# Altium PCB HEXIWEAR_MainBoard_v106.PcbDoc (part 2 of 3)
Units mil, origin at the board's own origin, x right, y up, seen from the top; angles counter-clockwise.
Board outline 1731.95 x 1558.06 mil, 6 copper layers (Top Layer, Internal Plane 2, Signal Layer 1, Signal Layer 2, Internal Plane 1, Bottom Layer), stack 48.468 mil thick; 186 components, 162 nets, 776 pads, 480 vias.
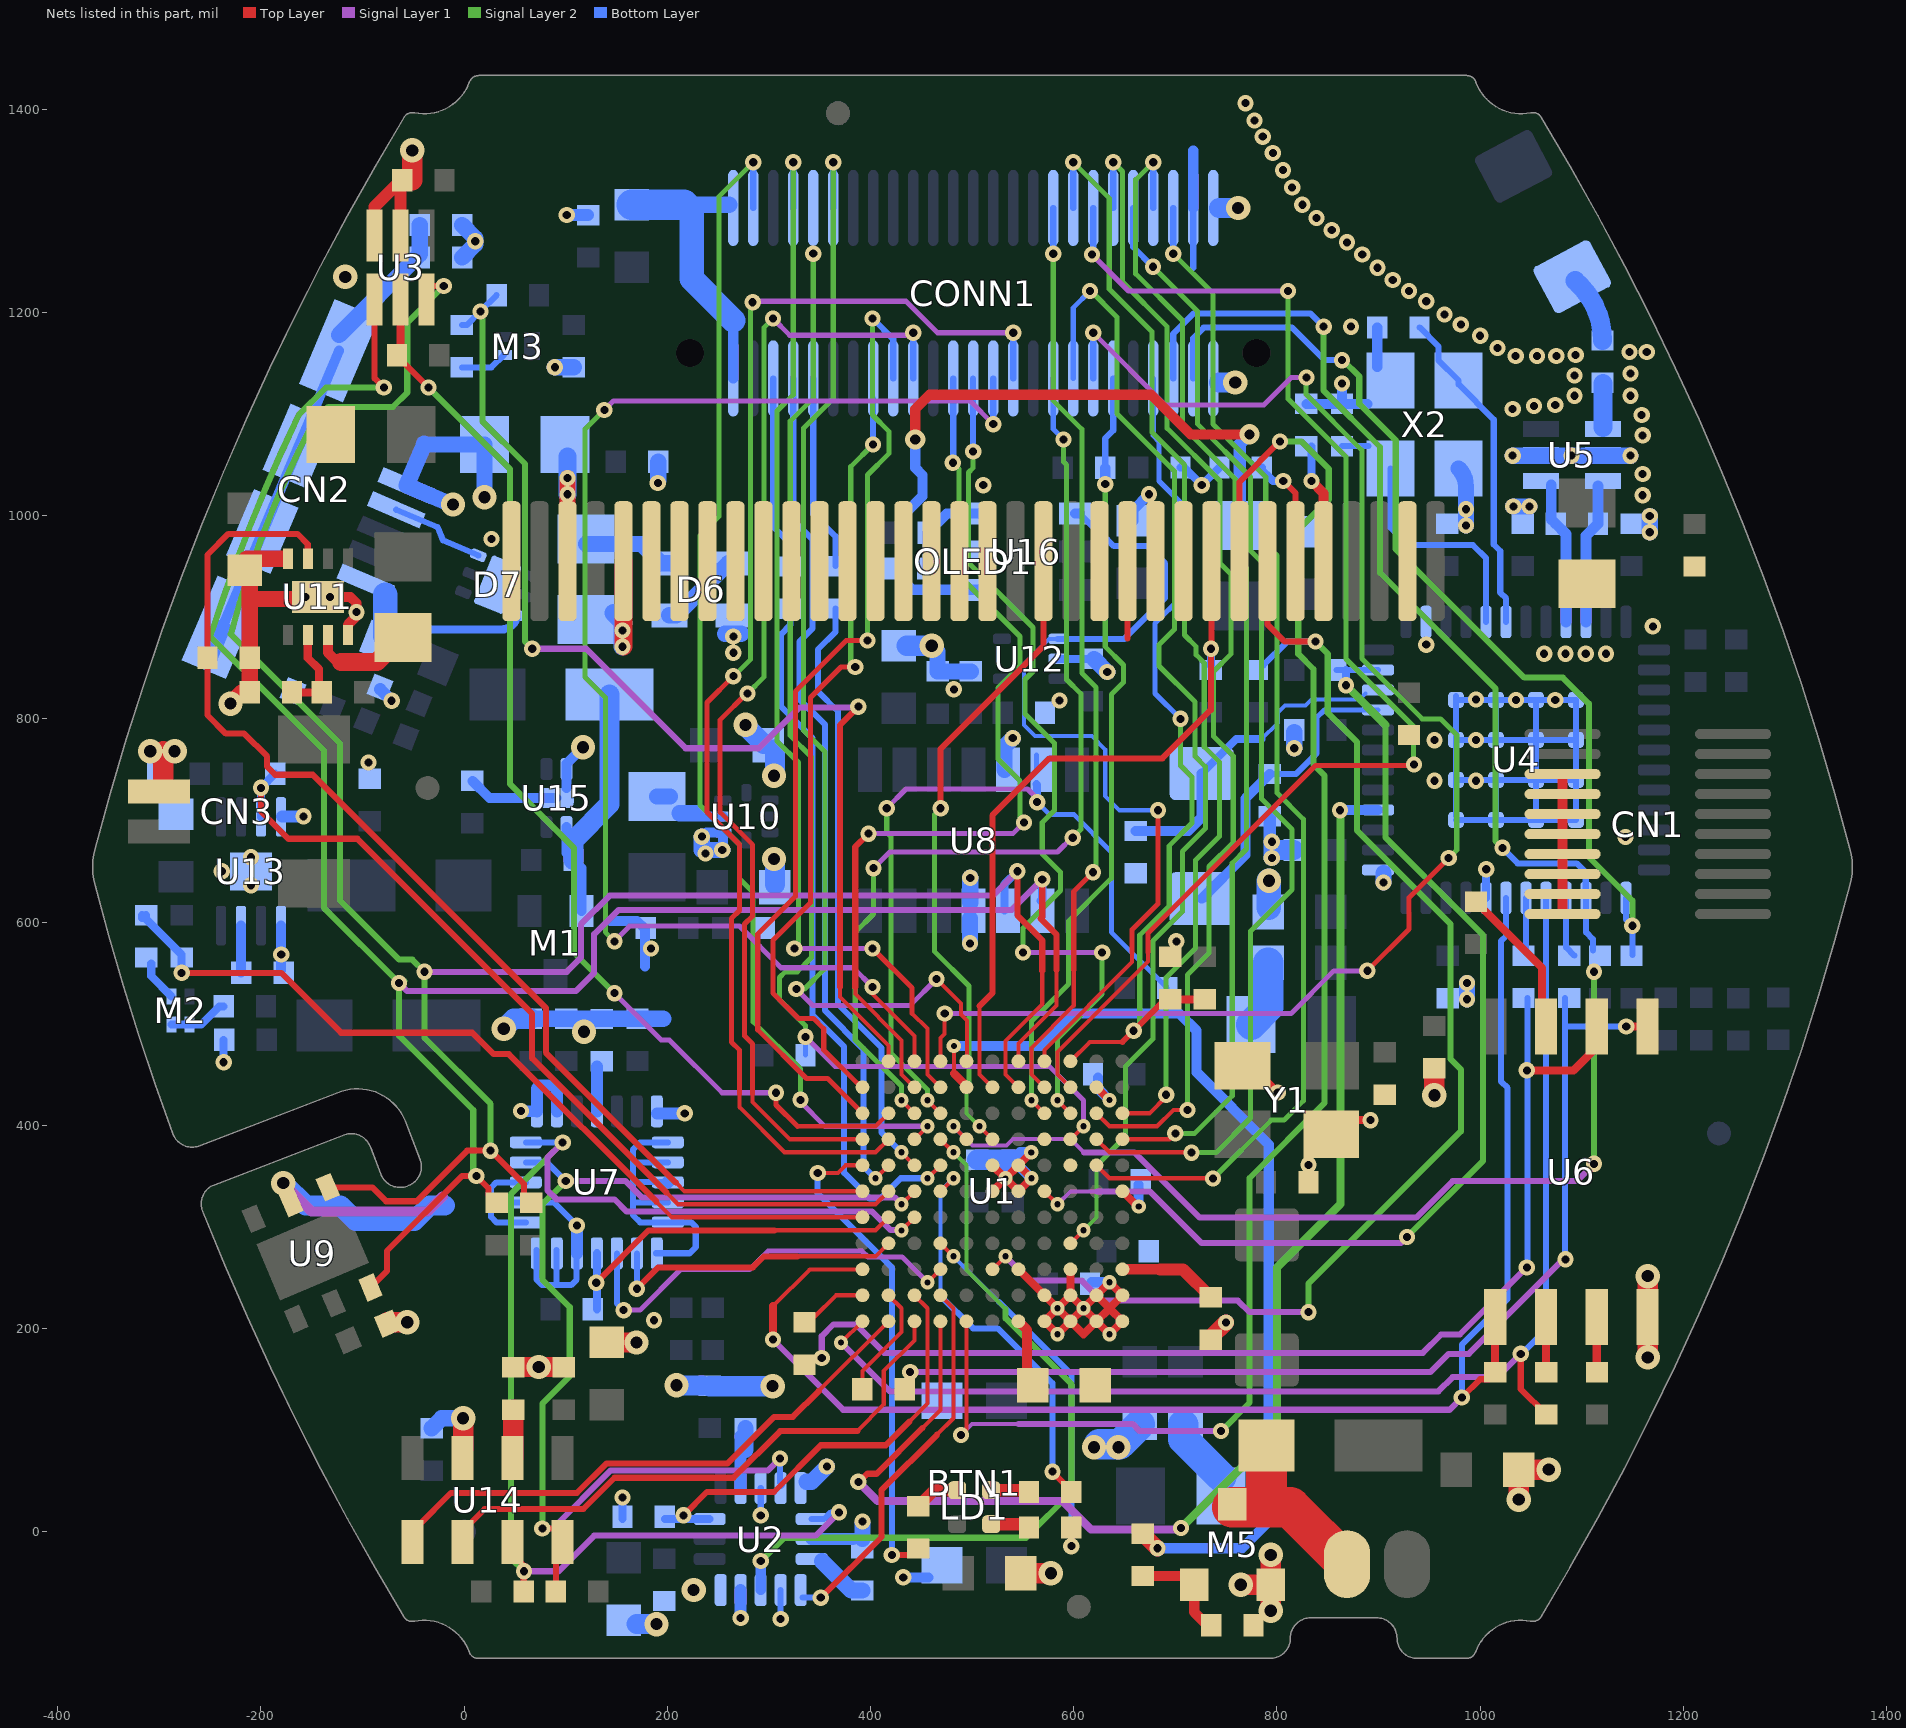
[diagram p6: the nets of this part, all layers, seen from the top]

## Via types
v1: diameter 16, hole 8, Top Layer to Bottom Layer, tented both sides, 352 vias
v2: diameter 24, hole 12, Top Layer to Bottom Layer, tented both sides, 67 vias
v3: diameter 14, hole 6, Top Layer to Bottom Layer, tented both sides, 55 vias
v4: diameter 20, hole 10, Top Layer to Bottom Layer, tented both sides, 4 vias
v5: diameter 16, hole 8, Top Layer to Bottom Layer, tented bottom, 2 vias

## Nets (pads, with @x,y where several pads share a name; then routed paths per layer and width w, separated by ;. In a path a pad name is that pad's centre, name@x,y a point inside that pad or via, vN(x,y) a via of type N, cw(c..) or ccw(c..) an arc to the next point about the centre after c; other vN are vias at no path point) (continued)
GND: BTN1.P1 BTN1.P2 C1.2 C3.2 C4.2 C5.2 C6.2 C7.2 C8.1 C9.2 C10.2 C11.2 C12.2 C13.2 C14.2 C15.2 C16.2 C17.2 C18.1 C19.2 C20.2 C21.2 C22.2 C23.2 C24.2 C25.2 C26.2 C27.2 C28.2 C30.1 C32.2 C33.2 C34.2 C35.2 C36.2 C37.2 C38.2 C39.1 C40.2 C41.2 C42.2 C44.2 C45.2 C46.2 C47.2 C48.1 C49.2 C50.2 C51.2 C52.2 C53.2 C54.2 C55.2 C56.2 C57.2 C58.2 C59.2 C60.1 C61.1 C62.1 C63.2 C64.2 C65.2 C71.2 C72.2 C73.2 C75.2 C76.2 CN1.11 CN1.12 CN1.13 CN1.14 CN1.15 CN1.16 CN1.17 CN1.18 CN2.5 CN3.2 CONN1.25 CONN1.26 CONN1.27 D6.1 D7.7 M5.2 OLED1.2 OLED1.10 OLED1.11 OLED1.12 OLED1.13 OLED1.17 OLED1.18 OLED1.19 OLED1.20 OLED1.21 OLED1.22 OLED1.23 OLED1.24 OLED1.25 OLED1.26 OLED1.27 OLED1.28 OLED1.29 OLED1.34 R1.2 R8.2 R11.2 R26.2 R33.1 R38.2 R39.2 R43.2 R45.1 R48.2 R53.2 R59.2 R72.2 U1.F6 U1.F7 U1.G3 U1.G6 U1.G7 U1.H1 U1.H2 U1.J1 U1.J2 U1.J3 U1.K1 U1.K2 U1.K10 U1.L1 U1.L2 U1.L6 U2.3 U2.5 U2.7 U2.10 U2.12 U2.13 U3.2 U3.3 U4.8 U4.13 U4.26 U4.GND1 U4.GND2 U4.GND3 U4.GND4 U4.GND5 U4.GND6 U4.GND7 U4.GND8 U4.GND9 U4.GND10 U4.GND11 U4.GND12 U4.GND13 U4.GND14 U4.GND15 U4.GND16 U5.2 U5.5 U6.4 U7.1 U7.5 U7.6 U7.7 U7.8 U7.9 U7.10 U7.13 U7.14 U7.19 U7.20 U7.21 U7.22 U7.23 U7.24 U8.4 U8.12 U9.2 U10.5 U11.0 U11.4 U11.8 U12.2 U13.0 U13.4 U13.5 U14.3 U15.2 U15.5 U16.2 X2.2 X2.4 Y1.2 Y1.4 | length 6275.9
  Top Layer w6: 652.83,879 OLED1.12@652.83,955.11
  Top Layer w8: U1.F6@519.98,335 v3@532.74,347.76 ; U1.F7@520,360.5 v3@532.74,347.76 ; v3@532.79,347.77 U1.G6@545.56,335 ; U1.G7@545.54,360.58 v3(558.21,373.34) ; U1.G3@545.57,258.2 v3@583.92,219.85 ; U1.G6@545.54,335.04 558.31,347.81 U1.G7@545.54,360.58 ; U1.G7@545.53,360.54 v3@532.74,347.76 ; U1.H1@571.14,207.03 v3@583.91,194.26 ; U1.H1@571.19,207.07 v3(583.96,219.84) ; v3(583.96,194.25) U1.J1@596.75,207.03 ; U1.J2@596.74,232.61 v3(583.96,219.84) ; U1.J3@596.77,258.2 U1.J2@596.76,232.63 v3@609.53,219.86 ; v3@609.52,219.8 U1.J1@596.75,207.03 ; v3(609.58,219.85) U1.K1@622.33,207.03 ; v3@609.57,219.86 U1.K2@622.35,232.63 ; U1.K1@622.33,207.03 609.52,194.26 U1.J1@596.75,207.03 ; U1.K10@622.36,437.4 v3@635.13,424.63 ; 635.1,219.8 U1.K1@622.33,207.03 ; 635.12,219.86 U1.K2@622.35,232.63 ; v3(635.13,245.44) U1.K2@622.35,232.63 ; 635.13,219.8 U1.L1@647.9,207.03 ; 635.15,219.86 U1.L2@647.92,232.63 v3@635.15,245.4 ; U1.L1@647.9,207.03 635.1,194.26 U1.K1@622.33,207.03 ; U1.L6@647.92,335 v3@663.46,319.46 ; Y1.2@786,447 v1(800.85,432.15) ; Y1.4@871,405 v1(892,405) ; v3(583.96,219.84) U1.J1@596.74,207.07
  Top Layer w9.84: U11.0@-145.03,920 -112,920 -106,914 v1(-106,905) ; U11.8@-114.5,882.44 -114.5,892.5 v1@-105,902
  Top Layer w10: CN1.11@1081.2,607.83 CN1.12@1081.2,627.52 CN1.13@1081.2,647.2 CN1.14@1081.2,666.89 CN1.15@1081.2,686.57 CN1.16@1081.2,706.26 CN1.17@1081.2,725.94 CN1.18@1081.2,745.63
  Top Layer w12: U3.3@-88.19,1275.75 -88.19,1304.02 C20.2@-61.6,1330.6 ; U3.2@-62.6,1275.75 -62.6,1328.4 C20.2@-61,1330
  Top Layer w16: v2(-230,815) -219,826 R39.2@-211,826 C49.2@-211,941 ; C49.2@-214,957.56 U11.4@-177.56,957.56 ; -208,918 U11.0@-145.03,918 ; C1.2@735,191 v1(749.85,205.85)
  Top Layer w20: CN3.2@-296.28,734.69 v2@-296.28,768 ; C30.1@-75.37,206 v2@-55.49,206 ; C20.2@-51,1330 v2(-51,1359.51) ; U14.3@-1,82 v2(-1,111.51) ; C62.1@48.23,162 C60.1@98.23,162 ; C61.1@140.16,186.17 v2(169.67,186.17) ; C63.2@548,-41 v2(577.51,-41) ; v2(764.49,-52.37) M5.2@794,-52.37 ; v2(794,-77.88) M5.2@794,-52.37 ; v2(794,-22.86) M5.2@794,-52.37 ; v2(955,429.49) C35.2@955,456 ; v2(1038,31.49) C64.2@1038,61 v2(1067.51,61) ; v2(1165,171.49) U6.4@1165,201 ; U6.4@1165,222 v2(1165,251.51)
  Signal Layer 1 w10: v2(-178,343) -150,315 -36,315 -21,330
  Bottom Layer w6: U7.8@60.75,304.45 31.82,304.45 26.44,309.83 26.44,324.13 ; U7.10@60.75,343.82 31.82,343.82 26.44,338.44 26.44,324.13 ; U7.7@71.31,277 71.31,248.07 76.69,242.69 91,242.69 ; U7.6@91,277 91,242.69 ; U7.5@110.69,277 110.69,248.07 105.31,242.69 91,242.69 ; v1(110.94,301.42) 88.23,324.13 U7.9@60.75,324.13 26.44,324.13 ; 166.02,343.64 166.02,311.64 173.21,304.45 U7.24@200.51,304.45 223.55,304.45 228,300 228,280 222,274 U7.1@189,274 ; 166.16,324.13 U7.23@200.51,324.13 ; 166.53,363.5 U7.21@200.51,363.5 ; U7.22@200.33,344 166.02,344 166.02,376 173.21,383.19 U7.20@200.51,383.19 ; U2.3@291.89,42.87 292,42.76 v1(292,16) ; v1(311.57,-85.93) U2.10@311.57,-57.52 ; 717.63,1244 CONN1.27@717.63,1302.8 ; U4.GND13@976.28,700.49 U4.GND1@1094.39,700.48 U4.GND4@1094.39,818.6 U4.GND16@976.28,818.6 ; U4.GND13@976.28,704.27 U4.GND16@976.28,822.38 ; U4.GND14@976.28,739.86 U4.GND2@1094.39,739.85 ; U4.GND15@976.28,779.23 U4.GND3@1094.39,779.23 ; U4.GND9@1015.65,700.49 U4.GND12@1015.65,818.6 ; U4.GND5@1055.02,700.49 U4.GND8@1055.02,818.6
  Bottom Layer w8: v1(-236.67,462) R43.2@-236.67,484 ; R11.2@155.89,12.68 v1(155.89,33.68) ; U12.2@584,859 C54.2@618,859 ; R8.2@705.17,1047.4 708.6,1047.4 v1(726,1030) R33.1@743.4,1047.4 ; U4.8@1005.81,623.71 v1@1005.81,651.81
  Bottom Layer w9.84: C3.2@8,739 25,722 U15.5@91,722 ; 100.84,731.84 U15.2@100.84,750.54 100.84,755.84 v2(117,772) ; 144,601 170.29,601 178,593.29 178,556 ; v1@234.43,667.57 v1@234.43,679.52 ; v1@234.43,670.57 v1@234.69,670.57 ; v1@238.74,688.32 U10.5@257.57,688.32 ; v1@254.57,672.48 U10.5@254.57,688.32
  Bottom Layer w10: v1(432.2,-45) BTN1.P1@457,-45 ; v3(532.78,347.73) C13.2@532.78,358.6 ; C13.2@540.09,366.09 v3(558.33,347.86) ; C13.2@547.34,373.34 v3(558.21,373.34) ; C14.2@617.44,245.44 v3(635.13,245.44) ; C54.2@618,859 C54.2@620,859 ; C10.2@624,447 624,435.82 v3(635.15,424.68) ; C72.2@659,995 659,1006 v1(674,1021) ; v3@663.7,319.27 C11.2@663.7,341.71 ; CONN1.27@717.63,1302.8 717.63,1359.15 ; C73.2@829,1110 X2.2@888.87,1110 ; C33.2@864,1110 v1(864,1130) ; X2.2@898.69,1146.19 C32.2@898.69,1185.2
  Bottom Layer w10.24: R48.2@-180.28,552.65 U13.5@-180.28,596.42
  Bottom Layer w11.81: v1(56,414) U7.13@71.57,413.7 71.57,436.33 74.24,439 90,439 91.26,437.74 U7.14@91.26,413.7 ; U7.5@110.94,273.94 v1(110.94,301.42) ; U7.19@189.69,411.7 v1(217.17,411.7) ; U7.22@200.33,344 U7.22@200.51,343.82 ; v1(272.2,-85) U2.12@272.2,-57.52 ; U2.7@342.09,-7.32 C19.2@382.89,-7.32
  Bottom Layer w12: U13.4@-179,704 v1@-163,704 ; C34.2@-82.63,829.16 v1(-71.31,817.84) ; v1(101,1296) R45.1@122,1296 ; v1@793,681 C75.2@793,704
  Bottom Layer w16: -39.21,1070.91 CN2.5@-56.66,1029.71 v2@-11.23,1010.47 ; -37.06,1070 C45.2@20,1070 v2(20,1018) ; C8.1@-32,101.67 -22.16,111.51 v2(-1,111.51) ; R59.2@-2,1254 v1@11,1267 ; C9.2@-2,1286 11,1273 v1(11,1270) ; C38.2@65.63,504.82 196,504.82 ; v1(89.28,1146) C57.2@108,1146 ; v1@191,1034.28 C46.2@191,1053 ; v1(234,684) 234,671 v1(254,671) ; 256.67,883.82 272.67,883.82 ; U2.5@337,49 342,49 v1(357.02,64.02) ; C19.2@392,-7.32 v1@392,8 ; v2(460.24,871.93) 466,866.17 C41.2@466,846.67 C40.2@498.8,846.67 ; v1(498,579) U8.4@498,603.51 ; U8.4@498.13,618.96 v1(498.13,643.47) ; U8.12@531.98,749.81 531.98,772.98 v1(540,781) ; C54.2@620,859 v1(633,846) ; v1(795,663) v1(795,679) ; v1(817,771) C25.2@817,787 ; v1(905,639) U4.13@905,648 ; X2.4@978.8,1046.39 cw(c961.43,1029.02) 986,1029.02 v1(986,1006.33) v1(986,990.33) ; v1(987,524) v1(987,540) ; v1(1032,1059) v1(1148,1059) ; v1(1032.67,1009) v1(1048.67,1009) ; v1(1167,983.67) v1(1167,999.67)
  Bottom Layer w20: v2(-178,343) -156,321 -121.75,321 -106.75,306 -49,306 -34,321 -19,321 ; v2(39,495) 48.82,504.82 C38.2@65.63,504.82 ; C17.2@170,-91 v2@189.88,-91 ; v2@209,143.79 C15.2@234.57,143.79 ; C15.2@241.89,143.24 v2@304.09,143.24 ; v2@277.25,792.84 C50.2@294.59,775.51 ; C53.2@306,637 v2@306,661.51 ; v2@306,745 C50.2@306,769.51 ; C42.2@435.72,871.93 v2(460.24,871.93) ; C12.2@505,366 C13.2@540,366 ; 743,1131 v2(759,1131) ; 743,1302.8 v2(761.82,1302.8) ; 802.89,670.89 C22.2@816.69,670.89
  Bottom Layer w24: C21.2@792,614 v2@792,640.69
  Bottom Layer w30: v2@625,86 645.5,86 C65.2@665,105.5
  other v1: 392,10 187,208 831,361 -180,568 184,574 701,581 -209.8,636.18 -238.58,649.96 1006,652 -209.8,663.74 237.57,667.43 1143,683.66 -158,704 955,739 996,739 -94,757 955,779 996,779.23 586,818 996,819 1035.34,818.6 1074,818.6 482,829 1063,864 1084,864 1104,864 1124,864 265,865 947,873 265,881 1170,891 27,977 1160,1020 511,1030 190.67,1032 1160,1041 1090,1059 1160,1079 1159,1099 1032,1105 1053,1108 1074,1109 1093,1118 1148,1118 1093,1138 1148,1140 1035,1157 1056,1157 1075,1157 1094,1158 1147,1161 1164,1161 1017,1165 1000,1177 873,1186 981,1188 965,1198 947,1211 930,1221 914,1232 899,1244 884,1257 869,1269 854,1281 839,1293 825,1306 815,1323 806,1340 796,1357 786,1373 778,1389 769,1406
  other v2: 189.37,-91 225.83,-57.41 620,83 644,83 303.58,143.24 209,144 73.49,162 -56,206 118,492 792.22,640.69 305,662 305,744 -309,768 -285,768 277,794 -11,1011 -117,1235
  other v3: 635.14,194.25 664,320
  other v5: -156,920 -132,920
I2C0_SCL: R10.1 U1.G11 U3.4 U8.2 U9.6 | length 2171.5
  Top Layer w4: U1.G11@545.55,462.96 545.55,480.55 583,518 583,553
  Top Layer w6: U9.6@-92.2,240.24 -76,256.44 -76,276.2 -2.2,350 v1(12,350) 24,338 R10.1@24,332 ; U3.4@-88.19,1212.76 -88.19,1135.19 v1(-79,1126) ; v1(569,642) 569,604.79 567.5,603.3 583,587.8 583,553
  Signal Layer 1 w6: v1(-64,540) -56,532 110,532 128,550 128,588 152,612 539,612 v1(569,642)
  Signal Layer 2 w6: -249.95,880.95 -138,769 -138,614 v1(-64,540) -64,488 9,415 9,353 v1(12,350) ; -249.85,881.04 cw(c1406.39,345.91) -162.65,1099.31 -135.97,1126 v1(-79,1126)
  Bottom Layer w8: U8.2@567.5,621 569,622.5 v1(569,642)
I2C0_SCL_B: CONN1.8 U1.A10 | length 776.4
  Top Layer w4: U1.A10@390.76,437.36 U1.A10@392.08,437.36
  Top Layer w5: v1(385,851) 371,851 341,821 341,619 304,582 304,530 329,505 344,505 354,495 354,474.12 U1.A10@390.76,437.36
  Signal Layer 2 w5: v1(385,851) 380.5,855.5 380.5,1048.15 v1(402.37,1070.02)
  Bottom Layer w6: v1(402.37,1070.02) CONN1.8@402.37,1115
I2C0_SDA: R9.1 U1.G10 U3.6 U8.3 U9.1 | length 2264.3
  Top Layer w4: U1.G10@545.56,437.36 532.76,450.13 532.76,482.76 557,507 569,519 569,552
  Top Layer w6: U9.1@-134.07,338.87 -90.39,338.87 -76.73,325.21 -46.79,325.21 3,375 v1(26,375) 59,342 R9.1@59,330.67 ; U3.6@-38.72,1226 v1(-20,1226) ; v1(544.5,650) 544.5,606.5 569,582 569,552
  Signal Layer 1 w6: v1(-39,551) 101.09,551 115,564.91 115,597.63 143.37,626 520.5,626 v1(544.5,650)
  Signal Layer 2 w6: -229.66,883.29 -122,775.63 -122,621 -64,563 -51,563 v1(-39,551) -39,486 26,421 v1(26,375) ; -229.53,883.42 cw(c733.95,629) -148.36,1092.19 -133.55,1107 -70,1107 -56,1121 -56,1190 v1(-20,1226)
  Bottom Layer w8: U8.3@531.98,611.19 531.98,637.48 v1(544.5,650)
I2C0_SDA_B: CONN1.9 U1.A9 | length 976.9
  Top Layer w5: U1.A9@392.08,411.76 357.85,446 337,446 289,494 289,588.21 326,625.21 326,827 376,877 v1(397,877)
  Signal Layer 2 w5: v1(397,877) 397,1040 418,1061 418,1083 402,1099 v1(402,1194)
  Bottom Layer w6: v1(402,1194) 422.33,1173.67 CONN1.9@422.33,1135.02
I2C1_SCL: R3.1 U1.C6 U2.4 U7.11 U14.8 | length 1129.5
  Top Layer w4: v3(430.45,322.18) U1.C6@443.24,335
  Top Layer w6: v1(77,3) U14.8@95,3 ; R3.1@90.33,-59 U14.8@90.33,-17.1
  Signal Layer 1 w6: v1(77,3) 87,3 144,60 299,60 v1(311,72) ; v1(100,345) 159,345 175,329 423.64,329 v3(430.45,322.18)
  Signal Layer 2 w6: v1(77,3) 77,126 104,153 104,221 77,248 77,322 v1(100,345)
  Bottom Layer w6: U7.11@60.75,363.5 81.5,363.5 v1(100,345) ; v1(311,72) 311,48 313,46 U2.4@312,45
I2C1_SDA: R2.1 U1.C5 U2.6 U7.12 U14.7 | length 1337
  Top Layer w4: v3(430.44,296.58) U1.C5@443.22,309.39
  Top Layer w6: U14.7@47.83,-10.39 47.83,-22.5 58.67,-33.33 R2.1@58.67,-59
  Signal Layer 1 w6: v1(59,-39) 93,-39 128,-4 346,-4 v1(369,19) ; v1(97,383) 82,368 82,336 91,327 148,327 160,315 401.64,315 419.64,297 v3@430,297
  Signal Layer 2 w6: v1(59,-39) 46,-26 46,332 v1(97,383)
  Bottom Layer w6: U7.12@60.75,383.19 v1@97,383.19 ; U2.6@342.09,12.36 354.36,12.36 361,19 v1(369,19)
I2S0_MCLK: CONN1.34 U1.H10 | length 913.3
  Top Layer w4: U1.H10@571.16,437.36 558.36,450.13 558.36,475.97 600,517.61 600,553
  Top Layer w5: 600,553 600,630 v1(619,649)
  Signal Layer 2 w5: v1(579.85,1257.8) 579.85,1113.15 608,1085 608,845 622,831 v1@622,649
  Bottom Layer w6: v1(579.85,1257.8) CONN1.34@579.83,1302.8
I2S0_RX_BCLK: CONN1.31 U1.K9 | length 1161.4
  Top Layer w4: U1.K9@622.35,411.76 635.13,398.99 681.99,398.99 698,415 v1(712,415)
  Signal Layer 2 w5: v1(638.87,1347.8) 648,1338.67 648,1230 692,1186 692,1086 744,1034 744,953 755,942 755,864 737.5,846.5 737.5,782.88 757,763.38 757,678.62 733,654.62 733,569 712,548 v1(712,415)
  Bottom Layer w6: CONN1.31@638.89,1302.8 v1(638.87,1347.8)
I2S0_RX_FS: CONN1.32 U1.J10 | length 1290.4
  Top Layer w4: U1.J10@596.76,437.36 583.99,450.13 584,472 673,561 673,570
  Top Layer w5: 673,570 673,589 838,754 v1@931,754
  Signal Layer 1 w5: v1(618,1257) 654,1221 v1(811,1221)
  Signal Layer 2 w5: v1(811,1221) 811,1115 868,1058 868,859 934.5,792.5 934.5,755.5 v1(935,755)
  Bottom Layer w6: v1@619.22,1257.8 CONN1.32@619.2,1302.8
I2S0_RXD0: CONN1.33 U1.L9 | length 1094.7
  Top Layer w4: U1.L9@647.93,411.76 674.47,411.76 v1@691.56,428.86
  Signal Layer 2 w5: v1(599.5,1347.8) 635,1312.3 635,1223 677,1181 677,1082 709,1050 709,882.5 720.5,871 720.5,862.99 728.5,854.99 728.5,772.5 743.29,757.71 743.29,684.29 720,661 720,574.38 691,545.38 v1(691,430)
  Bottom Layer w6: CONN1.33@599.52,1302.8 v1(599.5,1347.8)
I2S0_TX_BCLK: CONN1.28 U1.K7 | length 1172.4
  Top Layer w4: U1.K7@622.33,360.58 635.1,347.81 v1@737,347.81
  Signal Layer 2 w5: v1(697.96,1257.8) 737,1218.76 737,1090 789,1038 789,971.64 800,960.64 800,727.21 826,701.21 826,424 807,405 794.41,405 v1(737,347.59)
  Bottom Layer w6: v1(697.96,1257.8) CONN1.28@697.96,1302.78
I2S0_TX_FS: CONN1.29 U1.L8 | length 1147.7
  Top Layer w4: U1.L8@647.91,386.18 694.18,386.18 v1(700,392)
  Signal Layer 2 w5: v1(678.24,1347.8) 661,1330.56 661,1238 707,1192 707,1088 759,1036 759,959.21 770,948.21 770,671.82 756,657.82 756,429 719,392 v1(700,392)
  Bottom Layer w6: CONN1.29@678.24,1302.82 v1(678.24,1347.8)
I2S0_TXD0: CONN1.30 U1.K8 | length 1148.6
  Top Layer w4: U1.K8@622.34,386.18 635.11,373.41 v1@716,373.41
  Signal Layer 2 w5: v1(678,1245) 722,1201 722,1090 774,1038 774,965.43 785,954.43 785,721 815,691 815,632 774,591 774,407 740,373 v1(716,373)
  Bottom Layer w6: CONN1.30@658.57,1302.8 658.59,1264.41 v1(678,1245)
LPC_SWO: U1.J7
LPC_TDI: U1.H8
MK64_RST: C4.1 CONN1.22 R7.2 U1.J11 | length 858.5
  Top Layer w4: U1.J11@596.75,462.96 615.79,482 648,482
  Top Layer w6: 648,482 v1(659,493) C4.1@692.33,526.33 ; C4.1@695,523.67 C4.1@695,524
  Top Layer w8: C4.1@695,523.67 R7.2@729,523.67
  Signal Layer 2 w5: v1(659,493) 665,499 665,586.96 694,615.96 694,674.96 716.5,697.46 716.5,742.5 705,754 v1(705,800)
  Bottom Layer w5: CONN1.22@678.26,1135 678.27,1078.73 684,1073 684,1034 705,1013 705,919 680,894 680,825 v1(705,800)
MK64_SWDIO: CONN1.20 R4.2 U1.H9 | length 776.8
  Top Layer w4: v3(558.35,424.55) U1.H9@571.17,411.76
  Signal Layer 2 w5: v3(558.35,424.55) 558.35,502.35 595,539 595,601 637,643 637,824 649,836 649,853 648.5,853.5 631,871 v1(631,1031)
  Bottom Layer w6: R4.2@631,1047 631,1076 638.89,1083.89 CONN1.20@638.89,1135
  Bottom Layer w10: v1(631,1031) R4.2@631,1047
MKW40_RST: CONN1.23 R13.1 U1.E8 U4.3 | length 1861.7
  Top Layer w4: v3(481.58,398.96) U1.E8@494.39,386.18
  Signal Layer 1 w4: v3(481.58,398.96) 500.54,380 534,380 540.23,386.23 596.77,386.23 610,373
  Signal Layer 1 w6: 610,373 660,373 724,309 937,309 973,345 1095,345 v1(1112,362)
  Signal Layer 2 w6: v1(846,1186) 846,1123 901.44,1067.56 901.44,943.56 1015,830 1015,680 v1(1022,673) ; v1(1112,362) v1(1112,551)
  Bottom Layer w6: CONN1.23@697.94,1135 697.94,1178.81 718.13,1199 833,1199 v1(846,1186) ; v1(1022,673) 1037,658 1037,657.71 1095.01,657.71 1103.92,648.8 U4.3@1103.92,627.08 ; U4.3@1104.24,623.71 1104.24,589.76 1111,583 R13.1@1111,572
MKW40_SWDIO: CONN1.24 R58.1 U4.1 | length 960.3
  Signal Layer 2 w6: v1(864,1153) 865.04,1153 881,1137.04 881,1110 917,1074 917,967 1043.5,840.5 1081.5,840.5 1107,815 1107,664 1149.82,621.18 v1(1149.82,596.29)
  Bottom Layer w6: CONN1.24@717.63,1135 717.63,1174.63 728,1185 815,1185 847,1153 v1(864,1153) ; U4.1@1143.61,623.71 1143.61,602.5 v1(1149.82,596.29) R58.1@1149.82,567.49
NetA1_1: A1.1 C29.1 | length 66.5
  Bottom Layer w19: A1.1@1093.65,1231.12 1097.92,1226.85 cw(c1043.47,1172.4) C29.1@1120.47,1172.4
NetC1_1: C1.1 U1.L3 | length 98.5
  Top Layer w10: U1.L3@647.93,258.2 684.8,258.2 685,258
  Top Layer w12: 685,258 707.67,258 C1.1@735,230.67
NetC6_1: C6.1 U1.G1 | length 55.7
  Top Layer w10: U1.G1@545.54,207.03 554,198.57 554,155.33 C6.1@554.33,155
NetC9_1: C9.1 CN2.SHIELD R59.1 | length 468.9
  Bottom Layer w10: CN2.SHIELD@-238,889.81 -198.24,984.13 -162.79,1068.24 CN2.SHIELD@-123.17,1162.23
  Bottom Layer w16: CN2.SHIELD@-250.48,860.2 CN2.SHIELD@-238,889.81 ; CN2.SHIELD@-123.17,1177.83 -43.67,1257.33 C9.1@-43.67,1286
NetC18_2: C18.2 U2.2 | length 72.3
  Bottom Layer w11.81: C18.2@272,94 U2.2@272.2,42.87
  Bottom Layer w16: 276.89,80.48 C18.2@276.89,101.68
NetC19_1: C19.1 U2.8 | length 51.6
  Bottom Layer w16: U2.8@352.23,-29.23 380.99,-57.99 C19.1@391.89,-57.99
NetC29_2: C29.2 U5.1 | length 42.9
  Bottom Layer w19: U5.1@1120.9,1087.13 C29.2@1120.9,1130
NetC31_1: C31.1 U4.33 U5.4 | length 140.7
  Bottom Layer w10.63: U5.4@1070,1030 1070,996.33 C31.1@1074.33,992 1084.55,981.78 U4.33@1084.55,895.37
NetC31_2: C31.2 U4.34 U5.3 | length 138.6
  Bottom Layer w10.63: U4.34@1104.24,895.37 1104.24,980.24 C31.2@1116,992 U5.3@1116,1029.05
NetC32_1: C32.1 U4.30 X2.3 | length 325.1
  Bottom Layer w6: C32.1@940.35,1185.2 959,1166.55 959,1152.81 X2.3@978.8,1133 978.8,1129.2 1013.43,1094.57 1013.43,971.57 1019.81,965.19 1019.81,924.19 1025.5,918.5 U4.30@1025.5,895.37
NetC33_1: C33.1 U4.29 X2.1 | length 253.4
  Bottom Layer w6: C33.1@864,1068.33 X2.1@889.94,1068.33 ; X2.1@911.88,1046.39 911.88,988.12 928.95,971.05 993,971.05 1005.81,958.24 U4.29@1005.81,895.37
NetC39_2: C39.2 U7.16 | length 44.1
  Bottom Layer w11.81: U7.16@130.63,413.7 C39.2@130.63,457.82
NetC45_1: C45.1 OLED1.32 | length 119
  Top Layer w16: OLED1.32@101.65,955.11 v1(101.65,1037)
  Bottom Layer w17.72: v1(101.65,1021) v1(101.65,1037) C45.1@101.65,1058.1
NetC62_2: C62.2 U14.2 | length 47.2
  Top Layer w20: U14.2@48.23,72.75 C62.2@48.23,119.98
NetC73_1: C73.1 OLED1.5 | length 117.8
  Top Layer w10: v1(834,1034) 845.74,1022.26 OLED1.5@845.74,955.11
  Bottom Layer w8: v1(834,1034) C73.1@834,1068
NetC75_1: C75.1 U4.21 X3.2 | length 303.6
  Bottom Layer w5: 839,801 846.75,808.75 U4.21@899.51,808.75
  Bottom Layer w6: C75.1@793,745.67 818.67,745.67 839,766 839,801
  Bottom Layer w10: X3.2@726,623 769,666 769,721.67 C75.1@793,745.67
NetC76_1: C76.1 U4.22 X3.1 | length 313.1
  Bottom Layer w4: 785,780 801,796 801,806 808,813 828,813 834,819 881,819 U4.22@887,825
  Bottom Layer w8: X3.1@726,746.02 759.98,780 785,780
  Bottom Layer w10: C76.1@661,689.67 712.67,689.67 726,703 X3.1@726,746.02
NetCN2_1: CN2.1 D7.6 FP3.2 | length 170.2
  Bottom Layer w8: FP3.2@-69,888 37.03,888 ccw(c37.03,903.06) D7.6@52.09,903.06
  Bottom Layer w24: FP3.2@-77.81,881.49 CN2.1@-77.81,922
NetCN2_4: CN2.4 D7.3 | length 95.9
  Bottom Layer w6: CN2.4@-66.82,1005.78 -26.07,988.52 -20.87,975.68 D7.3@13.91,960.94
NetCONN1_1: CONN1.1 CONN1.50 FP2.2 | length 287.3
  Bottom Layer w10: CONN1.1@264.87,1135 264.87,1192
  Bottom Layer w16: 216,1306 CONN1.50@261,1306
  Bottom Layer w24: 216,1306 224,1298 224,1233 265,1192
  Bottom Layer w30: FP2.2@165,1306 216,1306
NetD1_2: D1.2 M1.2 R36.1 U15.3 | length 266.3
  Bottom Layer w10: U15.3@100.84,693.46 100.84,667.83 R36.1@107.67,661 115.43,653.24 M1.2@115.43,610.81
  Bottom Layer w20: R36.1@107.67,661 107.67,680.67 143,716 D1.2@143,824
NetD5_1: D5.1 M4.2 M5.3 | length 195.5
  Top Layer w40: M5.3@756,24 813,24 M4.2@869,-32 ; 789.68,25.68 D5.1@789.68,85
NetD6_2: D6.2 D6.4 | length 79.2
  Bottom Layer w16: D6.2@202.01,901.82 208.82,901.82 D6.4@260,953
NetD6_3: D6.3 R54.2 | length 89.9
  Bottom Layer w16: R54.2@120,972 175,972 194,953 D6.3@202.01,953
NetFP1_1: FP1.1 R6.2 | length 68
  Bottom Layer w30: R6.2@774.5,499 791.5,516 FP1.1@791.5,560
NetFP4_1: FP4.1 R55.2 | length 66.3
  Bottom Layer w30: FP4.1@708,105 708,91 R55.2@745,54
NetL2_2: L2.2 U11.7 | length 106.8
  Top Layer w9.84: U11.7@-134.19,882.44 -134.19,865.18 -123,854 -121,854
  Top Layer w18: -121,856 -86,856 L2.2@-60,882
NetL3_1: L3.1 U10.6 | length 58.4
  Bottom Layer w9.84: 227.06,704.06 U10.6@254.57,704.06
  Bottom Layer w16: L3.1@189.78,723.43 L3.1@202.57,723.43 ; L3.1@212,707 230.06,707
NetL4_1: L4.1 U16.1 | length 699.6
  Top Layer w10: v4(444,1075) 444,1105 458,1119 676,1119 715,1080 v4(773,1080)
  Bottom Layer w10: v4(444,1075) 444,1047 451,1040 451,1019 435,1003 435,933 441,927 U16.1@505,927
  Bottom Layer w12: L4.1@761,990.37 763.5,992.87 763.5,1070.5 v4(773,1080)
NetLD1_2: LD1.2 R49.2 | length 44.8
  Top Layer w12: R49.2@447,25 462.73,40.73 LD1.2@485.27,40.73
NetLD1_3: LD1.3 R51.2 | length 35.5
  Top Layer w12: LD1.3@518.73,40.73 R51.2@554.27,40.73
NetLD1_4: LD1.4 R50.2 | length 34
  Top Layer w12: LD1.4@518.73,7.27 R50.2@552.73,7.27
NetM2_1: M2.1 R41.2 | length 40.6
  Bottom Layer w8: R41.2@-308,559 -308,546.92 M2.1@-287.86,526.78
NetM2_3: M2.3 R42.1 | length 58.6
  Bottom Layer w8: M2.3@-287.86,499.22 -258.78,499.22 -241,517 R42.1@-236.67,517
NetM3_1: M3.1 R46.2 | length 46.2
  Bottom Layer w6: R46.2@-2.2,1145.89 26.87,1145.89 M3.1@39.02,1158.03
NetM5_1: M5.1 R52.1 R53.1 | length 89.5
  Top Layer w10: R52.1@668,-43.67 M5.1@706.9,-43.67 ; M5.1@718.6,-52.37 718.6,-79.27 R53.1@735.33,-96
NetOLED1_6: OLED1.6 R33.2 | length 116
  Top Layer w6: v1@806.17,1034.4 818.19,1022.39 OLED1.6@818.19,955.11
  Bottom Layer w8: R33.2@785.17,1047.4 782.6,1047.4 796,1034 v1(806.17,1034)
NetOLED1_30: OLED1.30 R54.1 | length 120.7
  Top Layer w17.72: v1@156.77,871.23 OLED1.30@156.77,955.11
  Bottom Layer w17.72: R54.1@147,904 v1@156.77,894.23 ; v1(156,871) v1@156,894
  other v1: 156,887
NetR20_2: R20.2 U4.6 | length 54.3
  Bottom Layer w6: R20.2@1045.18,569.38 U4.6@1045.18,623.71
NetR21_2: R21.2 U4.4 | length 60.2
  Bottom Layer w6: U4.4@1084.55,623.71 1084.55,575.03 R21.2@1092.69,566.89
NetR28_2: R28.2 U6.3 | length 54.1
  Top Layer w8: R28.2@1114.8,157.2 U6.3@1114.8,211.26
NetR29_2: R29.2 U6.7 | length 145.9
  Top Layer w8: R29.2@996,620 1061,555 U6.7@1061,501.06
NetR30_2: R30.2 U6.2 | length 54.1
  Top Layer w8: R30.2@1064.8,157.2 U6.2@1064.8,211.26
NetR37_2: R37.2 R39.1 U11.6 | length 80.3
  Top Layer w8: R39.1@-169.33,826 R37.2@-140,826 ; U11.6@-153.87,882.44 -153.87,859.87 -143,849 R37.2@-143,836
NetR48_1: R48.1 U13.7 | length 46.1
  Bottom Layer w10: R48.1@-219.65,550.35 U13.7@-219.65,596.42
NetR62_2: R62.2 U1.A2 | length 59
  Top Layer w4: R62.2@342,211 344.46,211 366.09,232.63 U1.A2@392.08,232.63
NetR63_2: R63.2 U1.B2 | length 113.8
  Top Layer w4: R63.2@392,140 392,158 430.43,196.43 430.43,219.86 U1.B2@417.66,232.63
NetR66_2: R66.2 U1.D7 | length 707.8
  Top Layer w4: v3(456.01,347.77) U1.D7@468.8,360.58
  Bottom Layer w6: R66.2@324.27,904.97 R66.2@321,908.24 321,892.46 312,883.46 312,812 343,781 343,508.31 374,477.31 374,353.17 399.17,328 410,328 429.77,347.77 v3(456.01,347.77)
NetR67_2: R67.2 U1.C7 | length 594.4
  Top Layer w4: v3(430.4,373.37) U1.C7@443.22,360.58
  Bottom Layer w6: R67.2@365.39,908.57 365.39,885.39 348.22,868.22 348.22,827 368,807.23 368,519 411,476 411,392.77 v3(430.4,373.37)
NetR71_2: R71.2 R72.1 U16.3 | length 91.5
  Bottom Layer w10: R72.1@456,948.33 R71.2@456,983 475,1002 U16.3@505,1002
PTA4: CONN1.46 R5.2 U1.J8 | length 1180.5
  Top Layer w4: U1.J8@596.76,386.18 v3(609.54,399)
  Signal Layer 1 w5: v1(336,487) 365,458 576,458 609.54,424.46 v3(609.54,399)
  Signal Layer 2 w5: v1(336,487) 336,498 310.5,523.5 310.5,545.5 316,551 328,551 342,565 342,762.38 321,783.38 321,1093 343.61,1115.61 v1(343.61,1257.82)
  Bottom Layer w5: R5.2@336,469 v1(336,487)
PTA10: CONN1.13 U1.J9 | length 895.9
  Top Layer w4: v3(583.96,424.55) U1.J9@596.77,411.76
  Signal Layer 1 w5: v1(550,570) v1(628,570)
  Signal Layer 2 w5: v1(501,1063) 501,1047 496.5,1042.5 496.5,953.5 560,890 560,846.62 552,838.61 552,805 581,776 581,710 569,698 569,667 587,649 587,631 550,594 v1(550,570) ; v3(583.96,424.55) 583.96,485.03 628,529.07 v1(628,570)
  Bottom Layer w6: v1(501,1063) CONN1.13@501,1134.91
PTA11: CONN1.18 U1.J4 | length 1144.7
  Top Layer w4: U1.J4@596.76,283.79 v3(609.54,296.6)
  Signal Layer 2 w4: v3(609.54,296.6) 622.33,309.39 622.33,360.2
  Signal Layer 2 w5: v1@616.5,1221.5 642.68,1195.32 642.68,1100.32 699,1044 699,888 684,873 684,852 719.5,816.5 719.5,762.83 729.5,752.83 729.5,692.07 707,669.57 707,610.57 678,581.57 678,485 651,458 651,388.88 622.33,360.2
  Bottom Layer w5: CONN1.18@599.52,1135 599.52,1204.52 v1(616,1221)
PTA29: U1.H11 U12.1 U16.4 | length 855.9
  Top Layer w4: U1.H11@571.15,462.96 571.16,474.16 657.44,560.44 657.44,570
  Top Layer w5: 657.44,570 657.44,592.44 683,618 v1(683,710)
  Bottom Layer w4: U12.1@584,878.68 575.69,878.68 551,854 551,794 562,783 618,783 631,770 631,724 645,710 v1(683,710)
  Bottom Layer w6: U12.1@584,878.68 649.69,878.68 690,919 690,953 673,970 639.47,970 632.97,976.5 631.5,976.5 U16.4@606,1002
  Bottom Layer w10: U16.4@601.46,1002 U16.4@606,1002
PTB7: CONN1.45 U1.E11 | length 1147
  Top Layer w4: v1(465,544) 489,520 489,509 495,503 495,463.57 U1.E11@494.39,462.96
  Signal Layer 1 w5: v1(327,534) 343,518 439,518 v1(465,544)
  Signal Layer 2 w5: v1@325,534 335,534 355,554 355,767.77 334,788.77 334,1086 363.3,1115.3 v1(363.3,1347.78)
  Bottom Layer w6: CONN1.45@363.3,1302.8 v1(363.3,1347.78)
PTB8: CONN1.19 U1.D11 | length 1470
  Top Layer w4: U1.D11@468.8,462.96 468.8,485.8 473,490 v1(473,510)
  Top Layer w5: v1(889,552) 930,593 930,624 v1(969,663)
  Signal Layer 1 w5: v1(473,510) 814,510 856,552 v1(889,552) ; v1(619.2,1179.98) 690.18,1109 787,1109 814,1136 v1(829,1136)
  Signal Layer 2 w5: v1@828.56,1136 828.56,1119.44 883.56,1064.44 883.56,859.44 943,800 961,800 977,784 977,671 v1(969,663)
  Bottom Layer w6: CONN1.19@619.2,1135 v1(619.2,1179.98)
PTB9: R52.2 U1.E10 | length 958.4
  Top Layer w4: 482,451 v3(482,478) ; U1.E10@494.4,437.36 U1.E10@494.4,438.6
  Top Layer w8: 482,451 U1.E10@494.4,438.6
  Top Layer w16: R52.2@668,-2 v1(682.38,-16.38)
  Bottom Layer w10: v3(482,478) 567,478 599,510 704,510 721,493 721,452 792,381 792,10 765.62,-16.38 v1(682.38,-16.38)
PTB10: CONN1.47 U1.D10 | length 1077
  Top Layer w4: 441,510 456.01,494.99 456.01,450.13 U1.D10@468.81,437.36
  Top Layer w5: v1(402,574) 441,535 441,510
  Signal Layer 1 w5: v1(325,574) v1(402,574)
  Signal Layer 2 w5: v1(323.93,1347.78) 323.93,1118.93 308,1103 308,778 329,757 329,578 v1(325,574)
  Bottom Layer w6: CONN1.47@323.93,1302.8 v1(323.93,1347.78)
PTB11: CONN1.12 U1.C10 | length 920.1
  Top Layer w4: 385,536 385,529 430.43,483.57 430.43,450.13 U1.C10@443.24,437.36
  Top Layer w6: 385,536 385,674 v1(398,687)
  Signal Layer 1 w5: v1(398,687) 540,687 v1(551,698)
  Signal Layer 2 w5: v1(481,1052) 487,1046 487,941 547,881 547,852 525.5,830.5 525.5,760.5 547,739 547,702 v1(551,698)
  Bottom Layer w6: v1@481.41,1052.41 CONN1.12@481.41,1135
PTB12: R44.2 R46.1 U1.B11 | length 1153.9
  Top Layer w4: 370,536 370,526 417.65,478.35 U1.B11@417.65,462.96
  Top Layer w6: 370,536 370,794 v1(388,812)
  Signal Layer 1 w6: v1(67,869) 120,869 218,771 290,771 330,811 v1@388,811
  Signal Layer 2 w6: v1(16,1201) 18,1199 18,1092.8 60,1050.8 60,876 v1(67,869)
  Bottom Layer w6: R46.1@-2.2,1187.56 2.56,1187.56 v1(16,1201) R44.2@32,1217
PTB13: CONN1.14 U1.C11 | length 1364.6
  Top Layer w4: v1@402,538 v1(402,536) 402,529 443.23,487.77 U1.C11@443.23,462.96
  Signal Layer 1 w5: v1(138,1104) 147,1113 497.79,1113 v1(520.78,1090.02) v1@523.26,1092.5 ; v1(148,581) 163,596 271,596 312,555 383,555 v1(402,536)
  Signal Layer 2 w5: v1(138,1104) 119,1085 119,841 139,821 139,664 139,590 v1(148,581)
  Bottom Layer w6: v1(520.78,1090.02) CONN1.14@520.78,1135
PTB18: R32.2 U1.D9 U8.13 | length 771.5
  Top Layer w4: v3(456,424.55) U1.D9@468.82,411.76
  Signal Layer 1 w5: v1(416,712) 435,731 554.5,731 564,721.5 v1(564,718)
  Signal Layer 2 w5: v1(416,712) 416,688 420,684 420,471 456,435 v3(456,424.55)
  Bottom Layer w5: U8.13@563.48,749.81 U8.13@563.48,764.48 ; v1@567.5,718 v1(564,718) 576,706 600,706 637,669 637,590 R32.2@692,535
  Bottom Layer w8: U8.13@563.5,735.62 564,735.13 v1(564,718)
PTB19: CONN1.17 U1.C9 | length 948.2
  Top Layer w4: v3@430.47,424.53 U1.C9@443.24,411.76
  Signal Layer 1 w5: v1(403,653) 419,669 584,669 v1@599,684
  Signal Layer 2 w5: v1(403,653) 403,608 385,590 385,484 430.43,438.57 v3(430.43,424.55) ; v1(590,1075) 590,1053 593,1050 593,838.79 607,824.79 607,691 v1(599,683)
  Bottom Layer w5: CONN1.17@579.83,1135 579.83,1085.17 v1(590,1075)
PTC0: R12.2 U1.B9 U3.5 | length 1104
  Top Layer w4: 328.01,398.99 404.9,398.99 U1.B9@417.67,411.76
  Top Layer w5: v1(307,432) 307,420 328.01,398.99
  Top Layer w6: R12.2@-66.5,1157.5 v1(-35,1126)
  Top Layer w8: R12.2@-62.6,1161.4 U3.5@-62.6,1212.76
  Signal Layer 1 w5: v1(148,530) 194,484 202,484 254,432 v1(307,432)
  Signal Layer 2 w6: v1(-35,1126) 45,1046 45,736 108,673 108,570 v1(148,530)
PTC1: U1.D8 U2.11 | length 763.2
  Top Layer w4: U1.D8@468.8,386.18 v3(481.62,373.4)
  Signal Layer 2 w4: v3(481.62,373.4) 494.41,360.61 494.41,257.68 533,219.08
  Signal Layer 2 w6: v1(292,-29) 315,-6 553,-6 598,39 598,145 533,210 533,219.08
  Bottom Layer w10: U2.11@292,-57.41 v1(292,-29)
PTC8: R49.1 U1.A7 | length 476.8
  Top Layer w4: v1(348,353) 368,353 375.58,360.58 U1.A7@392.06,360.58
  Top Layer w6: v1(421,-23) R49.1@444.33,-23
  Bottom Layer w6: v1(348,353) 348,333 421,260 v1(421,-23)
PTC9: R51.1 U1.D6 | length 399.6
  Top Layer w4: U1.D6@468.81,335 v3(481.59,347.82)
  Top Layer w6: v1(579,59) R51.1@596.67,41.33 ; R51.1@597.67,39 R51.1@597.67,41.33
  Bottom Layer w4: 468.81,232 468.81,335.03 v3(481.59,347.82)
  Bottom Layer w6: 468.81,232 468.81,232.19 501,200 525,200 579,146 v1(579,59)
PTC12: R47.2 U1.B6 U13.3 | length 880.2
  Top Layer w4: 198.97,333.97 210.71,322.23 404.89,322.23 U1.B6@417.66,335
  Top Layer w6: v1(-199.96,732.04) -199.96,708.96 -173,682 -105.06,682 67,509.94 67,465.94 198.97,333.97
  Bottom Layer w8: U13.3@-199.96,703.5 v1(-199.96,732.04) R47.2@-186,746
PTC13: R38.1 U1.A6 U11.3 | length 1154
  Top Layer w4: 208.5,343.5 217,335 U1.A6@392.08,335
  Top Layer w6: U11.3@-153.87,957.56 -153.87,971.87 -164,982 -232,982 -252.58,961.42 -252.58,803.58 -234.5,785.5 -216.5,785.5 -194,763 -194,753 -186,745 -149,745 80.48,515.52 80.48,471.52 208.5,343.5
PTC14: R40.2 R41.1 U1.A5 | length 840.6
  Top Layer w4: 189.5,324.5 204.61,309.39 U1.A5@392.06,309.39
  Top Layer w6: v1(-278,550) -180,550 -121,491 8,491 29,470 44,470 189.5,324.5
  Bottom Layer w8: R41.1@-317,604 R41.1@-317,606.67 ; R41.1@-313,606.67 -313,603 R40.2@-278,568 ; v1(-278,550) R40.2@-278,565
PTC15: R31.2 U1.B5 U7.4 | length 369.7
  Top Layer w4: 305.39,296.39 305.62,296.62 404.87,296.62 U1.B5@417.64,309.39
  Top Layer w6: v1(130,245) 181.39,296.39 305.39,296.39 305.62,296.39
  Bottom Layer w8: R31.2@130.63,218.82 U7.4@130.63,273.94
PTC18: U1.B4 U7.2 | length 301.4
  Top Layer w4: 327.79,270.79 328.02,271.02 404.88,271.02 U1.B4@417.65,283.79
  Top Layer w6: v1(170,239) 191,260 284.21,260 295,270.79 327.79,270.79 328.02,270.79
  Bottom Layer w6: v1(170,239) U7.2@170,273.94
PTD0: R50.1 U1.D4 | length 371.6
  Top Layer w4: U1.D4@468.8,283.79 v3(481.62,271)
  Top Layer w6: v1@598,-14.33 R50.1@598,5.67
  Bottom Layer w4: v3(481.62,271) 526.62,226
  Bottom Layer w6: 526.62,226 598,154.62 v1@598,-14.33
  other v1: 597.67,-14.33
PTD1: U1.D3 U7.3 | length 412.5
  Top Layer w4: v3(456.03,245.39) U1.D3@468.82,258.2
  Signal Layer 1 w5: v1(157,218) 173,218 213,258 281,258 299,276 391.72,276 397.41,270.31 431.11,270.31 v3(456.03,245.39)
  Bottom Layer w6: U7.3@150.31,273.94 150.31,224.68 v1(157,218)
PTD10: U1.B1 U14.5 | length 545.9
  Top Layer w4: 349,138.39 U1.B1@417.64,207.03
  Top Layer w6: U14.5@-45,6 -13,38 111,38 140,67 259.2,67 305.2,113 323.61,113 349,138.39
PTD11: R11.1 U1.C2 U2.16 | length 441.3
  Top Layer w4: 438.5,108.5 456.01,126.01 456.01,219.86 U1.C2@443.24,232.63
  Top Layer w6: v1(216,16) 239,39 305,39 351,85 415,85 438.5,108.5
  Bottom Layer w8: R11.1@197.87,12.36 U2.16@241.69,12.36
PTD12: U1.C1 U14.6 | length 571.5
  Top Layer w4: 387,99 413,125 413,158 443.22,188.22 U1.C1@443.22,207.03
  Top Layer w6: U14.6@-1.38,-10.39 -1.38,0.62 20.27,22.27 117.27,22.27 148,53 265,53 311,99 387,99
PTD13: U1.D2 U2.9 | length 375.1
  Top Layer w4: 465.5,95.5 481.58,111.58 481.58,219.86 U1.D2@468.81,232.63
  Top Layer w6: v1@351.14,-65.14 411,-5.28 411,41 465.5,95.5
  Bottom Layer w6: U2.9@333,-65 v1(351,-65)
PTD14: U1.D1 U4.16 | length 1336
  Top Layer w4: 451,102 468.79,119.79 U1.D1@468.79,207.03
  Top Layer w6: v1@391,51 397,57 406,57 451,102
  Signal Layer 1 w8: v1(388,49) 407,30 589,30 617,2 v1@705.5,2
  Signal Layer 2 w8: v1(705.5,3.5) 800,98 800,260 862.5,322.5 v1@862.5,708.5
  Bottom Layer w10: v1@864,710.33 U4.16@899.51,710.33
  other v1: 862,710
PTD15: OLED1.8 U1.E1 | length 1583.8
  Top Layer w4: v1(489,95) 494.38,100.38 U1.E1@494.38,207.03
  Top Layer w6: OLED1.8@763.07,955.11 763.07,1033.07 v1(803,1073)
  Signal Layer 1 w4: v1(489,95) 500,106 545.46,106
  Signal Layer 1 w6: 545.46,106 658,106 665,99 v1(745,99)
  Signal Layer 2 w6: v1(745,99) 773,127 773,348 847,422 847,744 836,755 836,849 821,864 821,986 851,1016 851,1046 824,1073 v1(803,1073)
PTE6: OLED1.7 R35.2 U1.F3 | length 1297.9
  Top Layer w4: U1.F3@519.99,258.2 v3(532.78,271.02)
  Top Layer w6: OLED1.7@790.63,955.11 790.63,892.96 807.59,876 v1(838,876)
  Signal Layer 1 w6: v3(532.78,271.02) 556.79,247 608.12,247 627.67,227.44 761.56,227.44 773,216 v1(831,216)
  Signal Layer 2 w6: v1(831,216) 831,244 981,394 981,455 971,465 971,598 879,690 879,777 850,806 850,864 v1(838,876)
  Bottom Layer w6: R35.2@786.71,852.71 810,876 v1(838,876)
PTE26: R22.1 U1.H6 U4.23 | length 1076.7
  Top Layer w4: U1.H6@571.16,335 v3@583.93,322.23
  Signal Layer 1 w4: v3(583.97,322.22) 596.71,334.95 603.89,334.95 623,334.95
  Signal Layer 1 w6: 623,334.95 674.88,334.95 725.83,284 922,284 v1(928,290)
  Signal Layer 2 w6: 907,794 907,683 1003,587 1003,365 v1(928,290)
  Signal Layer 2 w8: v1(868,833) 907,794
  Bottom Layer w6: R22.1@858.79,848.12 U4.23@899.51,848.12
  Bottom Layer w8: v1(868,833) R22.1@868,848
SPI0_MISO: CONN1.4 U1.B7 | length 849.6
  Top Layer w4: v3(404.86,347.77) U1.B7@417.64,360.58
  Bottom Layer w6: CONN1.4@323.93,1135 323.93,995.31 343,976.24 343,889 330,876 330,819.46 355,794.46 355,513 393,475 393,359.63 v3(404.86,347.77)
SPI0_MOSI: CONN1.5 R67.1 | length 193.8
  Bottom Layer w6: CONN1.5@343.61,1135 343.61,1001.63 365.39,979.85 R67.1@365.39,950.24
SPI0_PCS0: CONN1.10 U1.A8 | length 1126.9
  Top Layer w4: 284,431 284,423 320.82,386.18 U1.A8@392.07,386.18
  Top Layer w5: v1@278.5,825.5 252,799 252,708 284,676 284,606 276,598 276,488 284,480 284,431
  Signal Layer 1 w5: v1(304,1194) 320.5,1177.5 439.56,1177.5 v1(442.04,1179.98)
  Signal Layer 2 w5: v1(279,825) 295,841 295,1185 v1(304,1194)
  Bottom Layer w6: CONN1.10@442.04,1135 v1(442.04,1179.98)
SPI0_PCS1: CONN1.15 U1.B8 | length 1320.1
  Top Layer w4: 271.23,431 271.23,417.71 315.53,373.41 404.88,373.41 U1.B8@417.65,386.18
  Top Layer w5: v1(265,842) 239,816 239,708.27 271,676.27 271,611.38 263,603.38 263,482 271.23,473.77 271.23,431
  Signal Layer 1 w5: v1@283,1211 435,1211 466.02,1179.98 v1(540.46,1179.98) v1@537.98,1177.5
  Signal Layer 2 w5: v1(265,842) 265.33,842 282,858.67 v1@282,1211
  Bottom Layer w6: CONN1.15@540.46,1135 v1(540.46,1179.98)
  other v1: 284,1210
SPI0_PCS2: CONN1.49 U1.C8 | length 1183.6
  Top Layer w4: U1.C8@443.23,386.18 v3(456.01,399)
  Signal Layer 1 w5: v1@331,423 355,399 v3(456.01,399)
  Signal Layer 2 w5: v1(284.56,1347.78) 251,1314.23 251,999.38 232,980.38 232,715.27 271,676.27 271,642.62 284.5,629.12 284.5,501.88 331,455.38 v1(331,425)
  Bottom Layer w6: CONN1.49@284.56,1302.8 v1(284.56,1347.78)
SPI0_SCK: CONN1.3 R66.1 | length 192
  Bottom Layer w6: CONN1.3@304.24,1135 304.24,989 321,972.24 R66.1@321,949.91
SPI1_MISO: R30.1 U1.A1 U4.5 | length 1262.7
  Top Layer w4: v3(371,186) U1.A1@392.06,207.03
  Top Layer w6: v1(1040,175) 1040,140.33 R30.1@1065,115.33
  Signal Layer 1 w6: v3(371,186) 419,138 959,138 973,152 1017,152 v1(1040,175)
  Bottom Layer w6: v1@1041,175 1065,199 1065,623.58 U4.5@1064.87,623.71
SPI1_MOSI: R21.1 R63.1 U6.5 | length 1046.9
  Top Layer w6: R63.1@439,136 v1(439,157)
  Top Layer w8: v1(1143.8,497.26) U6.5@1164.8,497.26
  Signal Layer 1 w6: v1@439,157.28 951.28,157.28 969,175 989,175 v1@1082,268
  Bottom Layer w6: v1@1083.69,268 R21.1@1083.69,525.22 ; 1085,497.26 v1(1143.8,497.26)
  other v1: 1084,268
SPI1_PCS0: R27.2 U1.A3 U4.7 U6.1 | length 1450.1
  Top Layer w4: 304,222 340.2,258.2 U1.A3@392.08,258.2
  Top Layer w6: v1(982,132) 1000,150 R27.2@1008,150
  Top Layer w8: v1(304,189) 304,222 ; R27.2@1014.8,157.2 U6.1@1014.8,211.26
  Signal Layer 1 w6: v1(304,189) 373,120 970,120 v1(982,132)
  Bottom Layer w6: v1(982,132) 982,184 1027,229 1027,436.69 1020.69,443 1020.69,581.45 1025.5,586.25 U4.7@1025.5,623.71
SPI1_SCK: R20.1 R62.1 U6.6 | length 1123.5
  Top Layer w6: R62.1@339.67,169 341.67,171 v1(352,171)
  Top Layer w8: v1(1046,454) 1092,454 U6.6@1115,477
  Signal Layer 1 w6: v1(352,171) 352,192.46 363.54,204 385.54,204 413.54,176 943.52,176 961.52,194 980,194 v1(1046,260)
  Bottom Layer w6: v1@1046.69,260 R20.1@1046.69,525.22
SPI2_MOSI: OLED1.15 U1.F8 | length 630.5
  Top Layer w4: v3(507.16,398.96) U1.F8@519.98,386.18
  Top Layer w6: v1(469,712) 469,770.46 570.15,871.61 OLED1.15@570.15,955.11
  Signal Layer 2 w4: 494.37,437.97 494.37,411.75 v3(507.16,398.96)
  Signal Layer 2 w5: 462.85,705.85 462.85,571.15 497,537 497,440.59 494.37,437.97
SPI2_PCS0: OLED1.9 R34.2 U1.F10 | length 699.1
  Top Layer w4: 507.18,517.18 507.18,450.13 U1.F10@519.98,437.36
  Top Layer w6: 507.18,517.18 520,530 520,705 576,761 687.21,761 735,808.79 v1(735,869) ; v1@735.51,869.51 OLED1.9@735.51,955.11
  Bottom Layer w8: R34.2@735,852 v1(735,869)